# Altium PCB pcb.PcbDoc (continued)
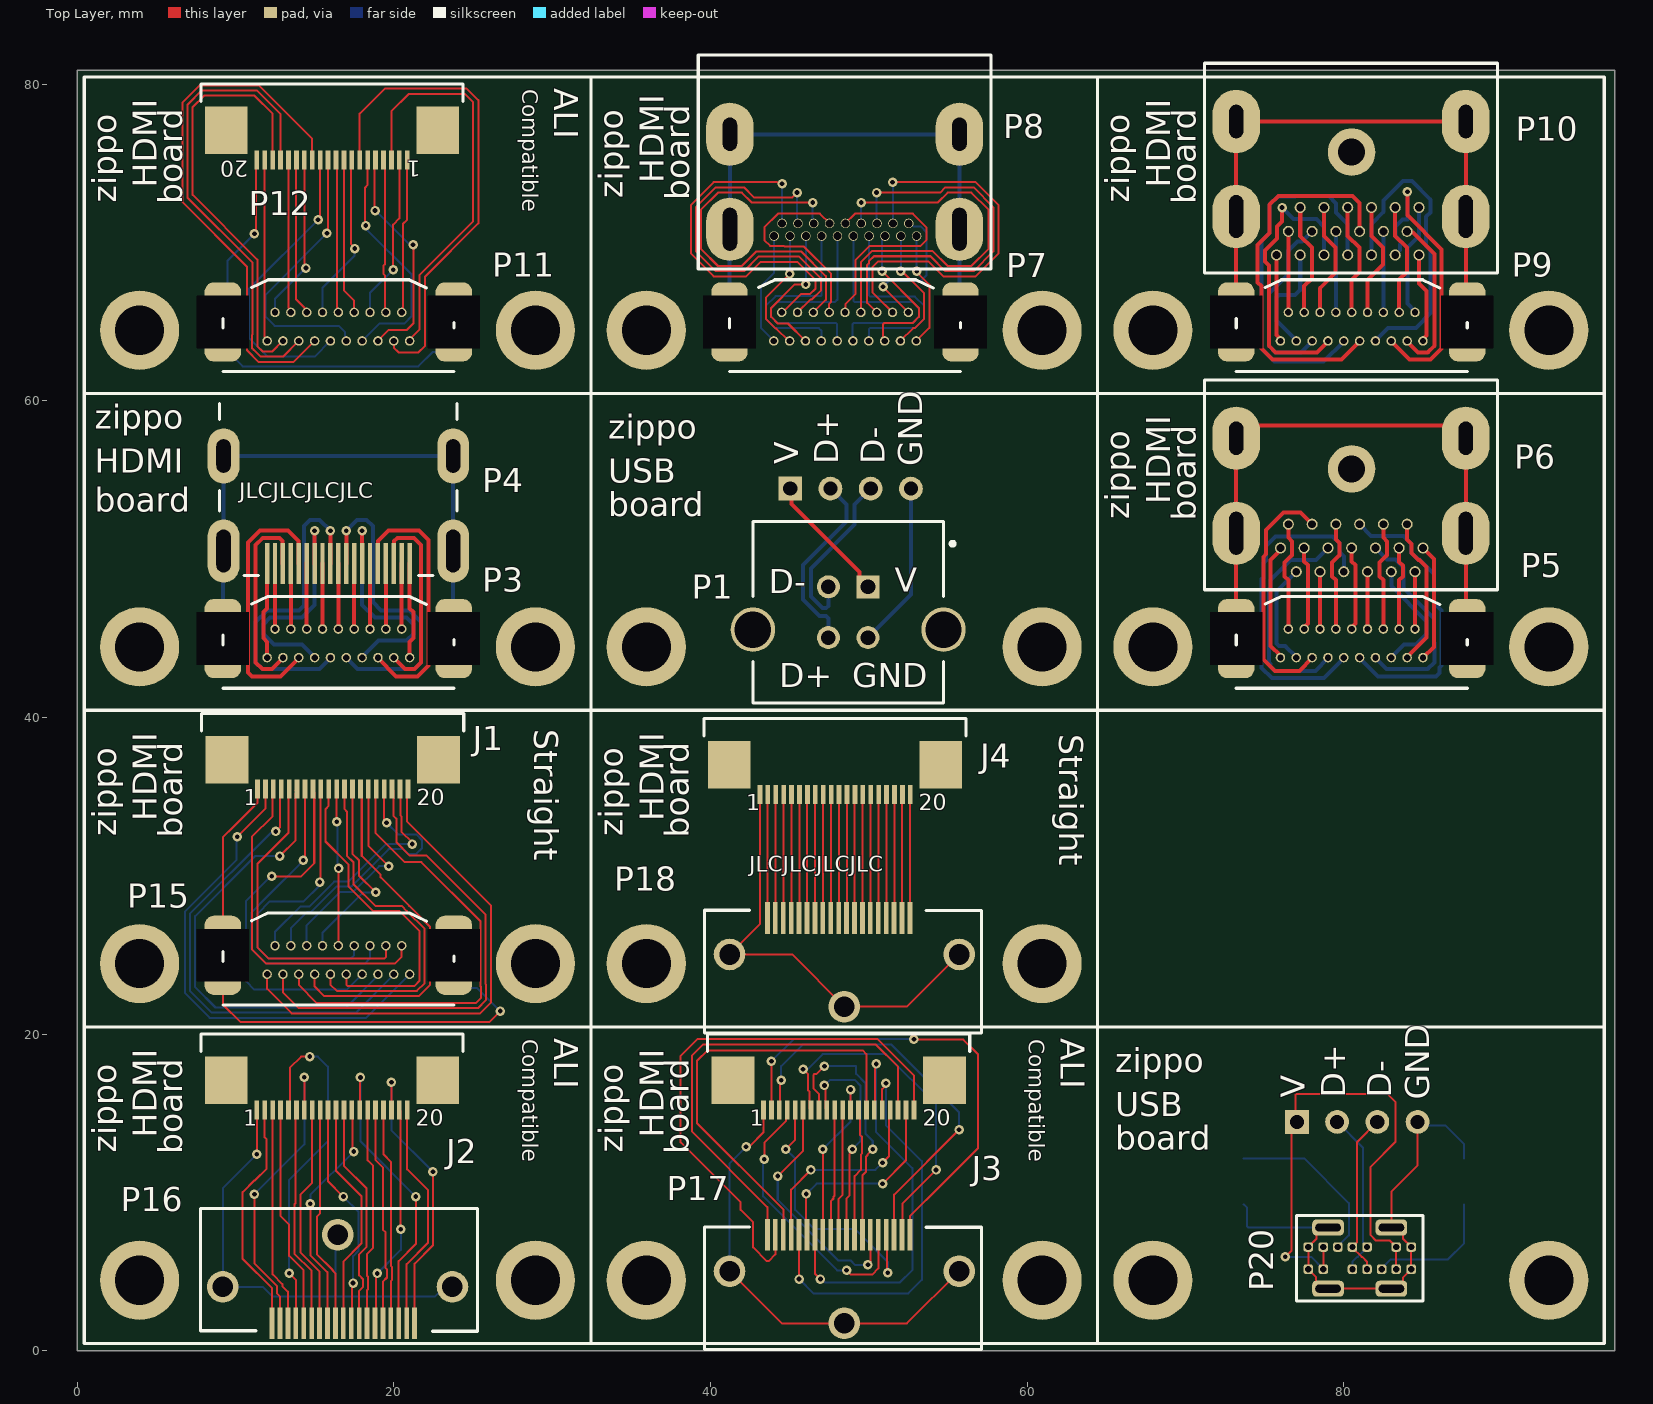
[diagram p0: Top Layer view]
## Nets (pads, with @x,y where several pads share a name; then routed paths per layer and width w, separated by ;. In a path a pad name is that pad's centre, name@x,y a point inside that pad or via, vN(x,y) a via of type N, cw(c..) or ccw(c..) an arc to the next point about the centre after c; other vN are vias at no path point) (continued)
  Top Layer w0.254: 12,43.775 12,44.773 11.769,45.004 11.769,46.655 12,46.886 12,49.711 ; 12.5,45.578 12.5,49.711 ; 13,43.775 13,43.741 12.303,43.044 11.697,43.044 11.269,43.472 11.269,50.882 11.725,51.338 12.775,51.338 12.987,51.126 12.987,49.724 13,49.711 ; 13.5,45.578 13.5,49.711 ; 14,43.775 14,43.741 12.849,42.59 11.035,42.59 10.8,42.825 10.8,51.055 11.536,51.792 13.321,51.792 13.987,51.126 13.987,49.724 14,49.711 ; 14.5,45.578 14.5,49.711 ; 15,49.711 v1(15,51.792) ; 15.5,45.578 15.5,49.711 ; 16,49.711 v1(16,51.792) ; 16.5,45.578 16.5,49.711 ; 17,49.711 v1(17,51.792) ; 17.5,45.578 17.5,49.711 ; 18,49.711 v1(18,51.792) ; 18.5,45.578 18.5,49.711 ; 19,43.775 19,43.741 20.151,42.59 21.491,42.59 22.185,43.284 22.185,51.215 21.608,51.792 19.679,51.792 19.013,51.126 19.013,49.724 19,49.711 ; 19.5,45.578 19.5,49.711 ; 20,43.775 20,43.741 20.697,43.044 21.303,43.044 21.731,43.472 21.731,50.882 21.275,51.338 20.225,51.338 20.013,51.126 20.013,49.724 20,49.711 ; 20.5,45.578 20.5,49.711 ; 21,43.775 21,44.773 21.231,45.004 21.231,46.655 21,46.886 21,49.711 ; 23.744,44.973 23.747,44.975 ; 45.04,54.45 45.132,54.358 45.132,53.468 49.411,49.189 49.411,48.788 49.951,48.248 ; 55.745,44.973 55.747,44.975 ; 73.207,44.975 73.207,51.632 73.207,57.632 74.025,58.45 86.889,58.45 87.707,57.632 87.707,51.632 87.707,44.975 ; 73.207,64.975 73.207,71.632 73.207,77.632 87.707,77.632 87.707,71.632 87.707,65.063 87.795,64.975 ; 75.751,69.2 75.751,64.146 76.001,63.896 76.001,63.775 ; 76.001,43.775 76.001,43.896 75.373,44.524 75.373,49.951 76.001,50.579 76.001,50.7 ; v1(76.101,72.2) 76.101,71.334 75.77,71.003 75.77,70.253 75.02,69.503 75.02,68.789 75.27,68.539 75.27,63.472 75.698,63.044 78.304,63.044 79.001,63.741 79.001,63.775 ; 76.501,45.578 76.501,48.666 76.27,48.897 76.27,49.779 76.732,50.241 76.732,51.123 76.501,51.354 76.501,52.2 ; 76.501,65.578 76.501,70.7 ; 77.251,72.2 77.251,70.416 77.982,69.685 77.982,67.731 77.501,67.25 77.501,65.578 ; 77.501,45.578 77.501,45.699 77.732,45.93 77.732,49.623 77.501,49.854 77.501,50.7 ; 78.001,43.775 78.001,43.741 77.2,42.94 75.648,42.94 74.919,43.67 74.919,50.139 75.088,50.308 75.088,51.821 76.198,52.931 77.27,52.931 78.001,52.2 ; 78.501,45.578 78.501,49.2 ; 78.501,65.578 78.501,67.104 79.482,68.085 79.482,69.685 78.751,70.416 78.751,72.2 ; 79.501,45.578 79.501,48.666 79.27,48.897 79.27,49.779 79.732,50.241 79.732,51.003 79.501,51.234 79.501,52.2 ; 80.251,72.2 80.251,70.416 80.982,69.685 80.982,68.119 80.501,67.638 80.501,65.578 ; 80.501,45.578 80.501,45.699 80.732,45.93 80.732,49.623 80.501,49.854 80.501,50.7 ; 81.001,63.775 81.001,63.741 79.85,62.59 75.51,62.59 74.793,63.307 74.793,67.241 74.566,67.468 74.566,69.831 75.316,70.581 75.316,72.378 75.869,72.931 80.554,72.931 81.001,72.484 81.001,70.7 ; 81.501,45.578 81.501,49.2 ; 81.501,65.578 81.501,67.635 82.482,68.616 82.482,69.685 81.751,70.416 81.751,72.2 ; 82.501,45.578 82.501,48.666 82.27,48.897 82.27,49.779 82.732,50.241 82.732,51.123 82.501,51.354 82.501,52.2 ; 83.001,63.775 83.001,63.741 84.152,62.59 85.492,62.59 86.186,63.284 86.186,69.549 84.02,71.715 v1(84.02,73.192) ; 83.251,72.2 83.251,70.416 83.982,69.685 83.982,68.134 83.501,67.653 83.501,65.578 ; 83.501,45.578 83.501,48.666 83.732,48.897 83.732,49.58 83.501,49.811 83.501,50.7 ; 84.001,43.775 84.001,43.809 85.232,45.04 85.232,49.503 84.785,49.95 84.717,49.95 84.27,50.397 84.27,50.965 84.001,51.234 84.001,52.2 ; 84.001,63.775 84.001,63.741 84.698,63.044 85.304,63.044 85.732,63.472 85.732,69.253 84.37,70.615 84.086,70.615 84.001,70.7 ; 84.501,45.578 84.501,49.2 ; 84.751,69.2 84.751,67.418 85.232,66.937 85.232,64.127 85.001,63.896 85.001,63.775 ; 85.001,43.775 85.686,44.46 85.686,50.015 85.001,50.7
  Bottom Layer w0.127: v1@10.074,32.211 10.074,30.995 6.799,27.72 6.799,22.6 8.374,21.025 18.25,21.025 21,23.775 ; v1(11.2,9.878) 14.35,13.028 v1(14.35,17.275) ; v1(11.203,70.548) 9.5,68.845 9.5,65.269 9.206,64.975 9.206,63.419 10.45,62.175 21.55,62.175 22.454,63.079 22.747,63.079 23.794,64.126 23.794,64.975 ; v1(11.35,12.404) 9.206,10.26 9.206,4.031 11.718,4.031 12.312,3.437 16.312,3.437 ; v1(12.288,29.961) 12.22,29.961 11.891,29.632 10.673,28.414 10.673,23.326 11.197,22.802 17.027,22.802 18,23.775 ; 12.5,25.578 12.5,26.451 14.097,28.048 14.649,28.048 16.233,29.632 17.127,29.632 19.496,32.001 v1(21.165,32.001) ; 12.5,65.578 12.5,66.43 v1(14.452,68.382) ; v1(12.548,32.797) 12.458,32.707 12.248,32.707 7.126,27.585 7.126,22.741 8.515,21.352 17.616,21.352 20,23.735 20,23.775 ; v1(12.805,31.245) 11.249,31.245 7.453,27.449 7.453,22.966 8.74,21.679 17,21.679 19,23.679 19,23.775 ; v1(13.397,4.892) 13.397,10.794 15.837,13.234 15.837,17.938 15.2,18.575 v1(14.7,18.575) ; 13.5,25.578 13.5,26.688 14.533,27.721 14.785,27.721 16.369,29.305 17.313,29.305 19.682,31.674 20.619,31.674 20.91,31.383 21.421,31.383 21.783,31.745 21.783,32.256 21.421,32.618 20.273,32.618 v1(19.541,33.35) ; v1@14.197,30.862 12.085,28.75 11,27.665 11,25.399 11.95,24.45 18.173,24.45 18.5,24.777 18.5,25.578 ; 14.5,25.578 14.5,26.867 16.611,28.978 17.449,28.978 19.076,30.605 v1(19.682,30.605) ; v1(14.732,9.289) 14.732,9.842 v1(17.467,12.577) ; v1(15.222,71.431) 10.848,67.057 10.848,63.983 12.051,62.78 15.006,62.78 16,63.775 ; v1@15.288,29.351 14.312,28.375 12.173,28.375 11.398,27.6 11.398,25.464 12.085,24.777 17.3,24.777 17.5,24.977 17.5,25.578 ; 15.5,25.578 15.5,26.388 18.061,28.949 v1(18.86,28.949) ; 15.5,65.578 15.5,67.138 17.534,69.172 v1(17.534,69.606) ; v1(15.776,70.576) 15.773,70.576 13.834,68.638 13.834,68.608 11.883,66.657 11.883,65.323 12.471,64.734 16.515,64.734 16.933,64.316 16.933,63.842 17,63.775 ; v1(16.391,33.411) 16.453,33.35 16.453,30.523 v1(16.514,30.462) ; 16.456,7.331 16.312,7.187 16.312,3.437 ; v1(16.82,9.738) 17.774,8.784 17.774,6.312 17.429,5.968 v1(17.429,4.275) ; v1(17.894,17.256) 17.899,17.252 17.899,13.234 v1(21.395,9.738) ; 18,63.775 19.117,64.892 20.687,64.892 21.118,65.323 21.118,67.983 18.237,70.864 v1(18.237,71.063) ; 18.5,65.578 18.5,66.809 v1(19.959,68.268) ; v1(18.817,72.011) 18.854,72.011 20.923,69.943 21.124,69.943 v1(21.215,69.852) ; v1(18.954,4.878) 20.443,6.367 v1(20.443,7.672) ; v1(19.85,16.957) 19.85,13.928 v1(22.476,11.302) ; 23.706,4.031 23.211,4.031 22.617,3.437 16.312,3.437 ; 23.794,24.975 23.794,23.954 24.841,22.906 25.262,22.906 v1(26.718,21.45) ; 41.207,5.027 41.207,11.833 v1(42.249,12.875) ; v1(43.4,12.1) 43.334,12.034 43.334,9.749 48.003,5.08 v1(48.601,5.08) ; v1(43.85,18.275) 45.252,19.677 v2(52.85,19.677) ; 44,63.775 43.179,64.597 43.179,67.227 44.024,68.073 44.024,70.397 ; v1(44.251,11.027) 44.251,9.531 48.085,5.697 48.857,5.697 49.126,5.428 v1(49.951,5.428) ; v1(44.467,17.075) 44.467,17.967 45.85,19.35 51.406,19.35 55.7,15.056 v1(55.7,13.956) ; 44.524,71.2 v1(44.524,73.7) ; v1(44.763,12.725) 45.35,12.138 45.35,8.895 46.543,7.702 49.101,7.702 51.199,5.604 v1(51.199,4.925) ; v1(45,68.007) 45.024,68.031 45.024,70.397 ; v1(45.474,73.146) 45.474,71.25 45.524,71.2 ; v1(45.601,4.529) 46.505,3.625 52.499,3.625 53.349,4.474 53.349,11.977 51.085,14.241 v1(51.085,16.887) ; v1(45.85,17.775) 46.134,17.775 47.092,18.732 51.082,18.732 54.249,15.566 v1(54.249,11.417) ; v1(46.024,67.345) 46.024,70.397 ; v1(46.051,9.899) 46.705,10.553 v1(50.874,10.553) ; v1(46.35,11.417) 50.416,11.417 v1(50.874,11.875) ; v1(46.457,72.519) 46.457,71.267 46.524,71.2 ; v1(46.951,4.529) 47.041,4.529 47.262,4.307 51.97,4.307 52.751,5.089 52.751,11.527 50.467,13.81 v1(50.467,18.115) ; 47,63.775 47,64.434 46.85,64.584 44.088,64.584 43.506,65.166 43.506,65.99 44.115,66.6 46.95,66.6 47.024,66.674 47.024,70.397 ; v1(47.099,12.725) 48.85,14.476 v1(48.85,16.495) ; v1(47.2,16.751) 47.562,17.113 49.106,17.113 49.467,16.751 49.467,13.225 v1(48.967,12.725) ; v1(47.2,17.967) 49.2,17.967 49.2,17.481 49.794,16.887 49.794,13.704 50.251,13.247 v1(50.251,12.725) ; 48,63.775 48,64.837 47.926,64.911 44.224,64.911 43.833,65.302 43.833,65.855 44.224,66.246 47.878,66.246 48.024,66.392 48.024,70.397 ; 49,63.775 48.976,63.799 48.976,64.837 49.051,64.911 52.777,64.911 53.168,65.302 53.168,65.855 52.777,66.246 49.099,66.246 49.024,66.32 49.024,70.397 ; 49.524,71.2 v1(49.524,72.519) ; 50,63.775 50,64.51 50.075,64.584 52.912,64.584 53.495,65.166 53.495,65.99 52.912,66.573 50.102,66.573 50,66.674 50,70.373 50.024,70.397 ; v1(50.493,73.146) 50.493,71.319 50.449,71.275 50.524,71.2 ; v1(50.841,68.181) 50.841,70.213 51.024,70.397 ; v1(50.905,67.2) 51.268,67.563 53.286,67.563 53.647,67.925 53.647,70.647 53.28,71.014 52.835,71.014 52.649,71.2 52.524,71.2 ; v1@51.487,73.818 51.524,73.781 51.524,71.2 ; v1@52.005,68.175 52.024,68.195 52.024,70.397 ; 53.024,70.397 53.03,70.391 v1@53.03,68.175 ; 73.674,9.25 73.899,9.025 73.899,7.854 73.973,7.78 79.009,7.78 ; 73.674,12.15 77.499,12.15 80.326,9.322 80.326,7.289 79.629,6.591 79.629,6.55 ; v1(76.306,5.932) 77.937,5.932 78.709,5.161 78.709,5.15 ; 79.58,14.45 81.213,12.818 81.213,6.853 81.469,6.597 81.469,6.509 80.892,5.932 80.851,5.932 80.549,5.63 80.549,5.15 ; 82.389,5.15 82.389,5.191 82.965,5.767 86.581,5.767 87.599,6.785 87.599,9.25 ; 84.66,14.45 84.879,14.231 86.402,14.231 87.599,13.034 87.599,12.15
  Bottom Layer w0.254: 9.156,44.585 9.203,44.632 9.203,50.464 9.25,50.511 9.25,56.511 23.75,56.511 23.75,50.511 23.747,50.508 23.747,44.588 23.744,44.585 ; 15,43.775 15,43.809 14.202,44.607 12.438,44.607 11.769,45.276 11.769,45.881 12.197,46.309 14.197,46.309 15,47.112 v1(15,51.792) ; 16,43.775 16,43.741 15.303,43.044 11.697,43.044 11.269,43.472 11.269,46.023 12.009,46.763 14.009,46.763 14.319,47.073 14.319,52.074 14.718,52.473 15.319,52.473 v1(16,51.792) ; 17,43.775 17,43.741 17.697,43.044 21.303,43.044 21.731,43.472 21.731,46.023 20.991,46.763 19.201,46.763 18.675,47.29 18.681,47.296 18.681,52.074 18.282,52.473 17.681,52.473 v1(17,51.792) ; 18,43.775 18,43.809 19.039,44.847 20.803,44.847 21.231,45.276 21.231,45.881 20.803,46.309 18.803,46.309 18,47.112 v1(18,51.792) ; 41.206,64.975 41.218,64.987 41.218,70.816 41.23,70.828 41.23,76.828 55.73,76.828 55.73,70.828 55.73,65.039 55.794,64.975 ; 47.451,45.038 47.451,46.24 47.302,46.389 46.881,46.389 45.837,47.434 45.837,49.624 48.596,52.383 48.596,53.434 47.58,54.45 ; 47.451,48.248 47.451,47.046 47.302,46.897 47.091,46.897 46.345,47.644 46.345,49.413 49.104,52.173 49.104,53.434 50.12,54.45 ; 49.951,45.038 52.66,47.748 52.66,54.45 ; v1(76.101,72.2) 76.832,71.469 78.266,71.469 78.751,70.984 78.751,69.2 ; 77.001,43.775 77.001,43.809 76.304,44.506 75.902,44.506 75.754,44.655 75.754,47.953 77.001,49.2 ; 77.001,63.775 77.001,63.809 75.751,65.059 75.751,66.524 75.9,66.673 76.924,66.673 77.251,67 77.251,69.2 ; 78.001,63.775 78.001,63.741 77.304,63.044 75.698,63.044 75.27,63.472 75.27,66.769 76.482,67.981 76.482,69.465 77.076,70.059 77.36,70.059 78.001,70.7 ; 79.001,43.775 79.001,43.741 78.2,42.94 75.648,42.94 75.373,43.216 75.373,43.369 75.27,43.472 75.27,48.111 75.373,48.214 75.373,48.665 76.639,49.931 78.232,49.931 79.001,50.7 ; 79.501,65.578 79.501,70.7 ; 80.001,43.775 80.001,43.741 78.746,42.486 75.46,42.486 74.816,43.13 74.816,48.747 74.919,48.85 74.919,49.751 75.088,49.92 75.088,50.821 75.698,51.431 79.304,51.431 79.732,51.003 79.732,50.435 80.001,50.166 80.001,49.2 ; 80.001,63.775 80.001,63.741 78.735,62.475 75.625,62.475 74.816,63.284 74.816,70.081 75.317,70.582 75.317,72.38 75.838,72.9 76.917,72.9 76.948,72.931 79.054,72.931 79.52,72.465 79.52,71.897 80.251,71.166 80.251,69.2 ; 81.001,43.775 81.001,43.741 82.152,42.59 85.84,42.59 86.05,42.8 86.05,43.148 86.186,43.284 86.186,46.737 85.686,47.238 85.686,49.049 84.775,49.959 84.708,49.959 84.251,50.416 84.251,50.984 83.766,51.469 81.732,51.469 81.001,52.2 ; 81.751,69.2 81.751,71.166 82.52,71.935 82.52,72.656 83.738,73.873 84.302,73.873 85.482,72.694 85.482,71.897 85.205,71.62 85.205,69.78 85.482,69.503 85.482,65.526 84.563,64.607 82.799,64.607 82.001,63.809 82.001,63.775 ; 82.001,43.775 82.001,43.741 82.698,43.044 85.304,43.044 85.732,43.472 85.732,44.688 85.686,44.734 85.686,46.25 83.77,48.166 83.77,49.465 83.266,49.969 82.732,49.969 82.001,50.7 ; 82.501,65.578 82.501,70.7 ; 83.001,43.775 83.001,43.809 83.799,44.607 84.563,44.607 85.232,45.276 85.232,46.062 83.001,48.293 83.001,49.2 ; 83.251,69.2 83.566,69.515 83.566,69.873 83.68,69.987 83.27,70.397 83.27,71.003 83.698,71.431 84.02,71.431 v1(84.02,73.192) ; 84.501,65.578 84.501,65.65 84.02,66.131 84.02,69.685 84.751,70.416 84.751,72.2
  other v1: 52.005,68.181 53.03,68.181 51.506,73.799

## Silkscreen, mask and mechanical layers (free items; w line width, h text height)
Top Overlay:
  lines w0.2: 96.451,40.45 64.451,40.45 ; 96.451,60.45 64.451,60.45 ; 0.45,20.45 32.45,20.45 ; 0.45,20.45 0.45,40.45 ; 0.45,20.45 0.45,0.45 32.45,0.45 ; 0.45,40.45 32.45,40.45 ; 0.45,40.45 0.45,60.45 ; 0.45,40.45 32.45,40.45 ; 0.45,60.45 32.45,60.45 ; 0.45,60.45 0.45,80.45 32.45,80.45 ; 32.45,0.45 32.45,20.45 ; 32.45,0.45 64.451,0.45 ; 32.45,20.45 32.45,40.45 ; 32.45,20.45 64.451,20.45 ; 32.45,40.45 64.451,40.45 ; 32.45,40.45 32.45,60.45 ; 32.45,40.45 64.451,40.45 ; 32.45,60.45 64.451,60.45 ; 32.45,60.45 32.45,80.45 ; 32.45,80.45 64.451,80.45 ; 64.451,0.45 96.451,0.45 96.451,20.45 ; 64.451,0.45 64.451,20.45 ; 64.451,20.45 64.451,40.45 ; 64.451,20.45 96.451,20.45 ; 64.451,40.45 64.451,60.45 ; 64.451,60.45 64.451,80.45 ; 64.451,80.45 96.451,80.45 96.451,20.45
  text "ALI" at 30.129,79.721 h1.52 r270
  text "Compatible" at 28.112,79.671 h1 r270
  text "HDMI" at 37.047,73.722 h1.52 r90
  text "HDMI" at 5.045,73.454 h1.52 r90
  text "HDMI" at 69.046,73.454 h1.52 r90
  text "zippo" at 34.464,72.772 h1.52 r90
  text "board" at 38.647,72.672 h1.52 r90
  text "zippo" at 2.462,72.504 h1.52 r90
  text "zippo" at 66.463,72.504 h1.52 r90
  text "board" at 6.645,72.404 h1.52 r90
  text "board" at 70.646,72.404 h1.52 r90
  text "zippo" at 1.104,58.237 h1.52
  text "zippo" at 33.554,57.587 h1.52
  text "V" at 45.536,55.974 h1.52 r90
  text "D+" at 48.084,55.974 h1.52 r90
  text "D-" at 51,55.974 h1.52 r90
  text "GND" at 53.388,55.851 h1.52 r90
  text "HDMI" at 1.104,55.454 h1.52
  text "USB" at 33.554,54.804 h1.52
  text "JLCJLCJLCJLC" at 10.254,53.842 h1
  text "HDMI" at 69.046,53.454 h1.52 r90
  text "board" at 1.112,53.004 h1.52
  text "board" at 33.554,52.704 h1.52
  text "zippo" at 66.463,52.504 h1.52 r90
  text "board" at 70.646,52.404 h1.52 r90
  text "Straight" at 28.886,39.246 h1.52 r270
  text "Straight" at 62.036,38.921 h1.52 r270
  text "HDMI" at 5.045,33.454 h1.52 r90
  text "HDMI" at 37.046,33.454 h1.52 r90
  text "zippo" at 2.462,32.504 h1.52 r90
  text "zippo" at 34.463,32.504 h1.52 r90
  text "board" at 6.645,32.404 h1.52 r90
  text "board" at 38.646,32.404 h1.52 r90
  text "JLCJLCJLCJLC" at 42.453,30.254 h1
  text "ALI" at 30.129,19.721 h1.52 r270
  text "ALI" at 62.129,19.721 h1.52 r270
  text "Compatible" at 28.112,19.671 h1 r270
  text "Compatible" at 60.113,19.671 h1 r270
  text "zippo" at 65.554,17.587 h1.52
  text "V" at 77.536,15.974 h1.52 r90
  text "D+" at 80.085,15.974 h1.52 r90
  text "D-" at 83.001,15.974 h1.52 r90
  text "GND" at 85.389,15.851 h1.52 r90
  text "USB" at 65.554,14.804 h1.52
  text "HDMI" at 5.045,13.454 h1.52 r90
  text "HDMI" at 37.046,13.454 h1.52 r90
  text "board" at 65.554,12.704 h1.52
  text "zippo" at 2.462,12.504 h1.52 r90
  text "zippo" at 34.463,12.504 h1.52 r90
  text "board" at 6.645,12.404 h1.52 r90
  text "board" at 38.646,12.404 h1.52 r90
Bottom Overlay:
  lines w0.2: 96.451,40.45 64.451,40.45 ; 96.451,60.45 64.451,60.45 ; 96.451,80.45 64.451,80.45 ; 0.45,20.45 32.45,20.45 ; 0.45,20.45 0.45,40.45 ; 0.45,20.45 0.45,0.45 32.45,0.45 ; 0.45,40.45 0.45,60.45 ; 0.45,40.45 32.45,40.45 ; 0.45,40.45 32.45,40.45 ; 0.45,40.45 32.45,40.45 ; 0.45,40.45 32.45,40.45 ; 0.45,60.45 0.45,80.45 ; 0.45,60.45 32.45,60.45 ; 0.45,80.45 32.45,80.45 ; 0.45,80.45 32.45,80.45 ; 0.45,80.45 32.45,80.45 ; 32.45,0.45 32.45,20.45 ; 32.45,0.45 64.451,0.45 ; 32.45,20.45 32.45,40.45 ; 32.45,20.45 64.451,20.45 ; 32.45,40.45 64.451,40.45 ; 32.45,40.45 32.45,60.45 ; 32.45,40.45 64.451,40.45 ; 32.45,40.45 64.451,40.45 ; 32.45,40.45 64.451,40.45 ; 32.45,60.45 32.45,80.45 ; 32.45,60.45 64.451,60.45 ; 32.45,80.45 64.451,80.45 ; 32.45,80.45 64.451,80.45 ; 32.45,80.45 64.451,80.45 ; 64.451,0.45 96.451,0.45 96.451,20.45 64.451,20.45 ; 64.451,0.45 64.451,20.45 ; 64.451,20.45 64.451,40.45 ; 64.451,40.45 64.451,60.45 ; 64.451,60.45 64.451,80.45
  text "GND" at 59.996,53.629 h1.52
  text "V" at 41.796,53.579 h1.52
  text "D+" at 48.084,52.81 h1.52 r90
  text "D-" at 50.739,52.81 h1.52 r90
  text "D-" at 46.091,47.898 h1.52
  text "V" at 52.621,47.829 h1.52
  text "D+" at 46.627,41.897 h1.52
  text "GND" at 53.067,41.897 h1.52
  text "GND" at 91.996,13.629 h1.52
  text "V" at 73.796,13.579 h1.52
  text "D+" at 80.085,12.81 h1.52 r90
  text "D-" at 82.74,12.81 h1.52 r90
Mechanical 1:
  lines w0.2: 97.124,0 0,0 0,80.875 97.124,80.875 97.124,0.05

## Text inside footprints (layer, text, board x,y; h text height)
J1: Top Overlay "20" at 21.436,34.45 h1.02; Top Overlay "1" at 10.536,34.45 h1.02
J2: Top Overlay "20" at 21.395,14.2 h1.02; Top Overlay "1" at 10.495,14.2 h1.02
J3: Top Overlay "20" at 53.395,14.2 h1.02; Top Overlay "1" at 42.495,14.2 h1.02
J4: Top Overlay "1" at 42.269,34.125 h1.02; Top Overlay "20" at 53.169,34.125 h1.02
P1: Top Overlay "GND" at 48.954,41.897 h1.52; Top Overlay "D+" at 44.335,41.897 h1.52; Top Overlay "D-" at 43.679,47.854 h1.52; Top Overlay "V" at 51.654,47.929 h1.52
P2: Bottom Overlay "1" at 43.008,54.958 h1.27 r180; Bottom Overlay "4" at 54.184,54.958 h1.27 r180
P4: Mechanical 2 "PCB Edge" at 13.909,60.395 h0.61
P12: Top Overlay "1" at 21.7,75.165 h1.02 r180; Top Overlay "20" at 10.8,75.165 h1.02 r180
P19: Bottom Overlay "1" at 75.008,14.958 h1.27 r180; Bottom Overlay "4" at 86.184,14.958 h1.27 r180